# KiCad board master-circuit.kicad_pcb (continued)
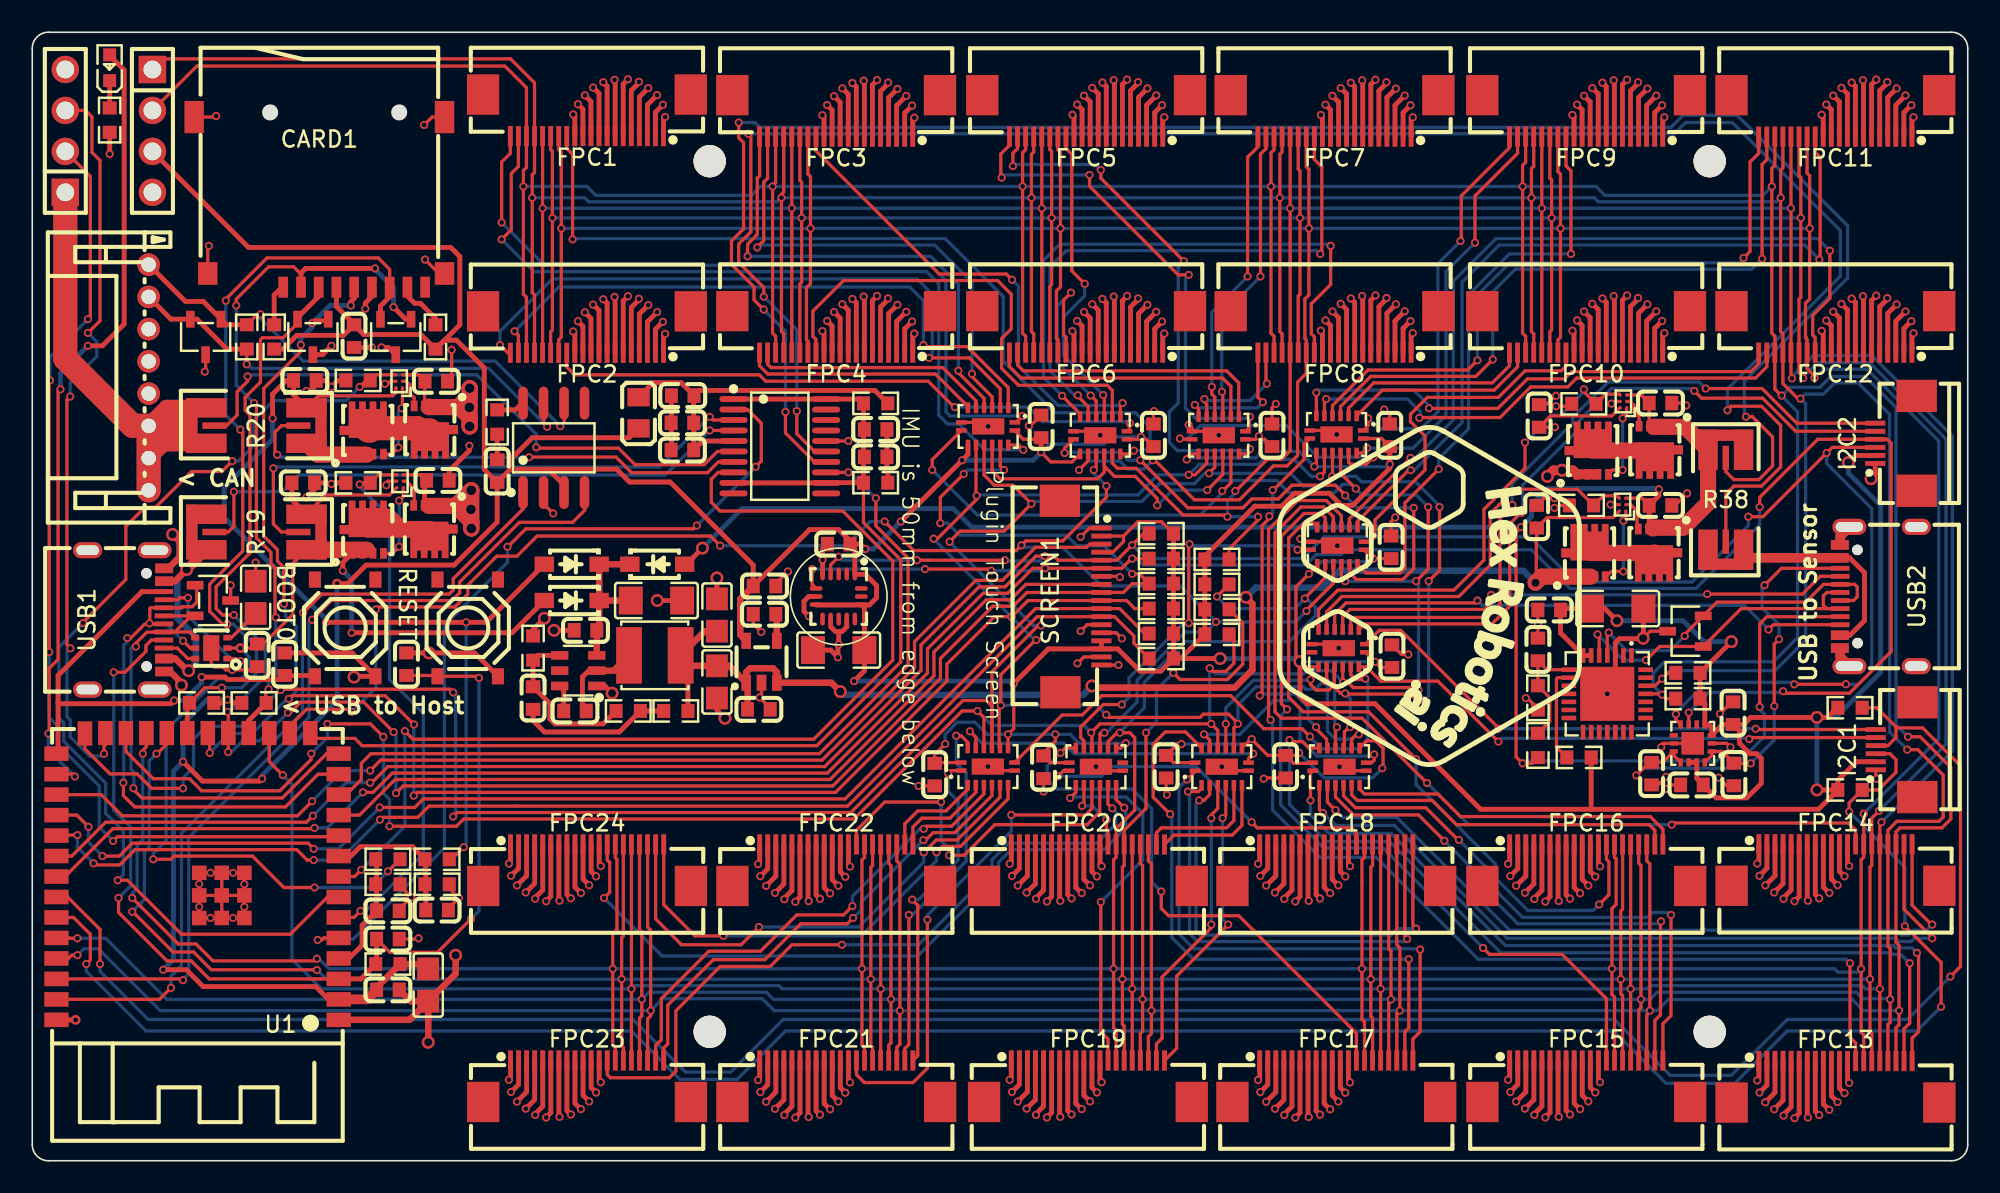
[diagram p0: board, top side]
## Library data of the parts (continued)
U2 U7 U12 U13 = -: Datasheet: https://item.szlcsc.com/datasheet/TCK420G%252CL3F/8033651.html; Description: Driven Configuration:High Side Load Type:MOSFET Number of Drivers:1 Voltage - Supply:2.7V~28V Voltage - Supply:2.7V~28V Features:Under Voltage Protection；Over Voltage Protection Operating Temperature:-40°C~+85°C Operating Temperature:-40°C~+85°C Input Logic L; Manufacturer Part: TCK420G,L3F; Manufacturer: TOSHIBA(东芝); Supplier Part: C7067041; Supplier: LCSC; LCSC Part Name: 过压保护MOSFET栅极驱动IC; LCSC Part #: C7067041
U3 = -: Datasheet: https://atta.szlcsc.com/upload/public/pdf/source/20220506/F97078DAC27613D3658649741CC410BC.pdf; Description: Output Type:Fixed Maximum Input Voltage:5.5V Output Voltage:3.3V Output Voltage:3.3V Output Current:300mA Dropout Voltage:400mV@(300mA) standby current:60uA Feature:Automotive Standard Certification；Low ESR；Thermal Protection(TSD)；Overcurrent Protection(O; Manufacturer Part: LDK130M33R; Manufacturer: ST(意法半导体); Supplier Part: C2969807; Supplier: LCSC; LCSC Part Name: 300 mA低静态电流超低噪声LDO; LCSC Part #: C2969807
U4 = -: Datasheet: https://www.ti.com/cn/lit/gpn/tps54202; Description: Function:Step-down type Output Type:Adjustable Voltage - Supply:4.5V~28V Voltage - Supply:4.5V~28V Output Voltage:- Output Voltage:- Output Current:2A Frequency - Switching:500kHz Frequency - Switching:500kHz Operating Temperature:-40°C~+125°C@(TJ) Operatin; Manufacturer Part: TPS54202DDCR; Manufacturer: TI(德州仪器); Supplier Part: C191884; Supplier: LCSC; LCSC Part Name: 4.5V至28V输入、2A输出、低EMI同步降压转换器; LCSC Part #: C191884
U5 = -: Datasheet: https://item.szlcsc.com/datasheet/HUSB237-AA001-DN06R/23868913.html; Manufacturer Part: HUSB237-AA001-DN06R; Manufacturer: Hynetek(慧能泰); Supplier Part: C22373734; Supplier: LCSC; LCSC Part Name: HUSB237-AA001-DN06R; LCSC Part #: C22373734
U6 = -: Datasheet: https://atta.szlcsc.com/upload/public/pdf/source/20210519/C1853321_F583406B092CB13E5AC6372DCA4D4EC9.pdf; Description: Capacitance: Tolerance:±5% Tolerance:±5% Voltage Rated: Temperature Coefficient:; Manufacturer Part: CC0805JRX7R9BB203; Manufacturer: YAGEO(国巨); Supplier Part: C1853321; Supplier: LCSC; LCSC Part Name: 20nF ±5% 50V; LCSC Part #: C1853321
U8 U21-U29 = -: Datasheet: https://atta.szlcsc.com/upload/public/pdf/source/20231127/2269817A6DBF40228CACAC1A57EEE2C9.pdf; Manufacturer Part: RS595SXTQW16; Manufacturer: RUNIC(润石); Supplier Part: C19268125; Supplier: LCSC; LCSC Part Name: 逻辑RS595S; LCSC Part #: C19268125
U9 = -: Datasheet: https://item.szlcsc.com/datasheet/HUSB311BLA/8528255.html; Description: Voltage - Supply:3V~5.5V Voltage - Supply:3V~5.5V Data Rate:330Kbps Operating Temperature:-40°C~+125°C Operating Temperature:-40°C~+125°C; Manufacturer Part: HUSB311BLA; Manufacturer: Hynetek(慧能泰); Supplier Part: C7471922; Supplier: LCSC; LCSC Part Name: HUSB311BLA; LCSC Part #: C7471922
U10 = -: Datasheet: https://item.szlcsc.com/datasheet/CP2102N-A02-GQFN28R/1049893.html; Description: Applications Function:USB to UART USB Protocol:USB 2.0 Voltage - Supply:3V~3.6V Voltage - Supply:3V~3.6V Operating Temperature:-40°C~+85°C@(Ta) Operating Temperature:-40°C~+85°C@(Ta) Current - Supply:9.5mA Supply Current (Iq):1.3uA; Manufacturer Part: CP2102N-A02-GQFN28R; Manufacturer: SKYWORKS/SILICON LABS(芯科); Supplier Part: C964632; Supplier: LCSC; LCSC Part Name: CP2102N-A02-GQFN28R; LCSC Part #: C964632
U11 = -: Datasheet: https://www.ti.com/cn/lit/gpn/ina2181; Description: Number of Channels:Quad Supply Current:690uA Operating Temperature:-40°C~+125°C Operating Temperature:-40°C~+125°C; Manufacturer Part: INA4181A1IPWR; Manufacturer: TI(德州仪器); Supplier Part: C2058366; Supplier: LCSC; LCSC Part Name: INA4181A1IPWR; LCSC Part #: C2058366
U17 = -: Datasheet: https://www.ti.com/cn/lit/gpn/sn65hvd230; Description: Type:CANtransceiver Data Rate:1Mbps Voltage - Supply:- Voltage - Supply:- Current - Supply:- Operating Temperature:-40°C~+85°C Operating Temperature:-40°C~+85°C; Manufacturer Part: SN65HVD230DR; Manufacturer: TI(德州仪器); Supplier Part: C12084; Supplier: LCSC; LCSC Part Name: 3.3-V CAN 收发器; LCSC Part #: C12084
U18 = -: Datasheet: https://item.szlcsc.com/datasheet/LIS3DHTR/15808.html; Description: Voltage - Supply:1.71V~3.6V Voltage - Supply:1.71V~3.6V Operating Temperature:-40°C~+85°C Operating Temperature:-40°C~+85°C; Manufacturer Part: LIS3DHTR; Manufacturer: ST(意法半导体); Supplier Part: C15134; Supplier: LCSC; LCSC Part Name: LIS3DHTR; LCSC Part #: C15134
U19 = -: Datasheet: https://item.szlcsc.com/datasheet/S8B-PH-K-S(LF)(SN)/169263.html; Description: Pins Structure:1x8P Pitch:2mm Mounting Type:Right Angle Reference Series:PH Number of Pins:8P Number of Rows:1 Number of PINs Per Row:8 Row Spacing:- Current Rating:2A Contact Material:Brass Contact Plating:Tin Operating Temperature:-25°C~+85°C Operating Te; Manufacturer Part: S8B-PH-K-S(LF)(SN); Manufacturer: JST; Supplier Part: C157915; Supplier: LCSC; LCSC Part Name: 1x8P 间距:2mm 弯插 系列:PH; LCSC Part #: C157915
USB1 USB2 = -: Datasheet: https://item.szlcsc.com/datasheet/TYPE-C16PIN/372551.html; Description: Connector Type:Type-C Protocol Standard:USB 3.1 Gender:Female Mounting Type:Surface Mount, Right Angle Number of Contacts:16P Number of Ports:1 Current Rating-Power:3A Voltage Rating:30V Connect-Disconnect Life:10,000 Cycles Detection color:Black Operatin; Manufacturer Part: TYPE-C16PIN; Manufacturer: SHOU HAN(首韩); Supplier Part: C393939; Supplier: LCSC; LCSC Part Name: Type-C 母 卧贴; LCSC Part #: C393939

## Footprints (pads in the part's own frame, mm; a bottom-side part is the same pattern mirrored in y, then rotated)
C0603
  rect 0.8x0.9 smd: 1(-0.7,0) 2(0.7,0)
C0805
  rect 1.41x1.35 smd: 1(-1,0) 2(1,0)
C1206
  rect 1.485x1.728 smd: 1(-1.593,0) 2(1.593,0)
CONN-TH_S8B-PH-K-S-LF-SN
  round 1.4 hole 0.9: 1(7,0) 2(5,0) 3(3,0) 4(1,0) 5(-1,0) 6(-3,0) 7(-5,0) 8(-7,0)
DHVQFN-16_L3.5-W2.5-P0.50-BL-EP
  rect 0.665x0.28 smd: 1(-1.657,-0.25) 8(1.657,-0.25) 9(1.657,0.25) 16(-1.657,0.25)
  rect 0.28x0.665 smd: 2(-1.25,-1.157) 3(-0.75,-1.157) 4(-0.25,-1.157) 5(0.25,-1.157) 6(0.75,-1.157) 7(1.25,-1.157) 10(1.25,1.157) 11(0.75,1.157) 12(0.25,1.157) 13(-0.25,1.157) 14(-0.75,1.157) 15(-1.25,1.157)
  rect 2x1 smd: 17(0,0)
FPC-SMD_6P-P0.50_XUNPU_FPC-05F-6PH20
  rect 0.3x1.25 smd: 1(-1.25,1.288) 2(-0.75,1.288) 3(-0.25,1.288) 4(0.25,1.288) 5(0.75,1.288) 6(1.25,1.288)
  rect 2x2.5 smd: 7(2.94,-1.288) 8(-2.94,-1.288)
FPC-SMD_18P-P0.50_FPC-05F-18PH20
  rect 0.3x1.25 smd: 1(-4.25,1.288) 2(-3.75,1.288) 3(-3.25,1.288) 4(-2.75,1.288) 5(-2.25,1.288) 6(-1.75,1.288) 7(-1.25,1.288) 8(-0.75,1.288) 9(-0.25,1.288) 10(0.25,1.288) 11(0.75,1.288) 12(1.25,1.288) 13(1.75,1.288) 14(2.25,1.288) 15(2.75,1.288) 16(3.25,1.288) 17(3.75,1.288) 18(4.25,1.288)
  rect 2x2.5 smd: 19(-5.94,-1.288) 20(5.94,-1.252)
FPC-SMD_20P-P0.50_XUNPU_FPC-05F-20PH20
  rect 0.3x1.25 smd: 1(-4.75,1.288) 2(-4.25,1.288) 3(-3.75,1.288) 4(-3.25,1.288) 5(-2.75,1.288) 6(-2.25,1.288) 7(-1.75,1.288) 8(-1.25,1.288) 9(-0.75,1.288) 10(-0.25,1.288) 11(0.25,1.288) 12(0.75,1.288) 13(1.25,1.288) 14(1.75,1.288) 15(2.25,1.288) 16(2.75,1.288) 17(3.25,1.288) 18(3.75,1.288) 19(4.25,1.288) 20(4.75,1.288)
  rect 2x2.5 smd: 21(6.44,-1.288) 22(-6.44,-1.288)
HDR-TH_4P-P2.54-V-M
  rect 1.7x1.7 hole 1.1: 1(-3.81,0)
  round 1.7 hole 1.1: 2(-1.27,0) 3(1.27,0) 4(3.81,0)
IND-SMD_L4.0-W4.0
  rect 1.6x3.5 smd: 1(-1.6,0) 2(1.6,0)
L0805
  rect 1.133x1.377 smd: 1(-0.966,0) 2(0.966,0)
LED0603-RD
  rect 0.8x0.8 smd: 1(-0.799,0) 2(0.799,0)
LGA-16_L3.0-W3.0-P0.50-TL
  oval 0.8x0.28 smd: 1(-1.4,1) 2(-1.4,0.5) 3(-1.4,0) 4(-1.4,-0.5) 5(-1.4,-1) 9(1.4,-1) 10(1.4,-0.5) 11(1.4,0) 12(1.4,0.5) 13(1.4,1)
  oval 0.28x0.8 smd: 6(-0.5,-1.4) 7(0,-1.4) 8(0.5,-1.4) 14(0.5,1.4) 15(0,1.4) 16(-0.5,1.4)
NPTH 2mm hole 3mm clearence
  round 2 hole 2 unplated: (0,0)
QFN-14_L2.5-W2.5-P0.50-TL-EP1.4
  rect 0.28x0.505 smd: 1(-0.5,-1.177) 2(0,-1.177) 3(0.5,-1.177) 8(0.5,1.177) 9(0,1.177) 10(-0.5,1.177)
  rect 0.505x0.28 smd: 4(1.177,-0.75) 5(1.177,-0.25) 6(1.177,0.25) 7(1.177,0.75) 11(-1.177,0.75) 12(-1.177,0.25) 13(-1.177,-0.25) 14(-1.177,-0.75)
  rect 1.4x1.4 smd: 15(0,0)
QFN-28_L5.0-W5.0-P0.50-TL-EP3.3
  rect 0.28x0.905 smd: 1(-1.5,-2.377) 2(-1,-2.377) 3(-0.5,-2.377) 4(0,-2.377) 5(0.5,-2.377) 6(1,-2.377) 7(1.5,-2.377) 15(1.5,2.377) 16(1,2.377) 17(0.5,2.377) 18(0,2.377) 19(-0.5,2.377) 20(-1,2.377) 21(-1.5,2.377)
  rect 0.905x0.28 smd: 8(2.377,-1.5) 9(2.377,-1) 10(2.377,-0.5) 11(2.377,0) 12(2.377,0.5) 13(2.377,1) 14(2.377,1.5) 22(-2.377,1.5) 23(-2.377,1) 24(-2.377,0.5) 25(-2.377,0) 26(-2.377,-0.5) 27(-2.377,-1) 28(-2.377,-1.5)
  rect 3.35x3.35 smd: 29(0,0)
R0603
  rect 0.806x0.864 smd: 1(-0.753,0) 2(0.753,0)
R2512 Shunt with Kelvin connections
  rect 0.7x3.4 smd: 1(-4,0) 2(4,0)
  rect 2.5x1.2 smd: 1(-3.1,1.1) 1(-3.1,-1.1) 2(3.1,1.1) 2(3.1,-1.1)
  rect 1.5x0.4 smd: 3(-2.6,0) 4(2.6,0)
SOD-123_L2.7-W1.6-LS3.7-RD-1
  rect 1.2x0.95 smd: 1(-1.7,0) 2(1.7,0)
SOIC-8_L4.9-W3.9-P1.27-LS6.0-BL
  oval 2.045x0.588 smd: 1(-2.772,1.909) 2(-2.772,0.639) 3(-2.772,-0.631) 4(-2.772,-1.901) 5(2.772,-1.901) 6(2.772,-0.631) 7(2.772,0.639) 8(2.772,1.909)
SOT-23-3_L3.0-W1.7-P0.95-LS2.9-BR
  rect 1.038x0.532 smd: 1(-1.101,0.95) 2(-1.101,-0.95) 3(1.101,0)
SOT-23-5_L3.0-W1.6-P0.95-LS2.8-BL
  rect 0.6x1 smd: 1(0.95,1.3) 2(0,1.3) 3(-0.95,1.3) 4(-0.95,-1.3) 5(0.95,-1.3)
SOT-23-6_L2.9-W1.6-P0.95-LS2.8-BL
  rect 0.532x1.072 smd: 1(0.95,1.149) 2(0,1.149) 3(-0.95,1.149) 4(-0.95,-1.149) 5(0,-1.149) 6(0.95,-1.149)
SW-SMD_4P-L5.1-W5.1-P3.70-LS6.5-TL_H1.5
  rect 1x0.75 smd: 1(-3,1.875) 2(3,1.875) 3(-3,-1.875) 4(3,-1.875)
TDFN-6_L2.0-W2.0-P0.65-TL-EP
  rect 0.5x0.35 smd: 1(-1,0.65) 2(-1,0) 3(-1,-0.65) 4(1,-0.65) 5(1,0) 6(1,0.65)
  rect 1x1.6 smd: 7(0,0)
TF-SMD_TF-01A
  rect 0.6x1.3 smd: 1(2.24,5.276) 2(1.14,5.276) 3(0.04,5.276) 4(-1.06,5.276) 5(-2.16,5.276) 6(-3.26,5.276) 7(-4.36,5.276) 8(-5.46,5.276) 9(-6.56,5.276)
  rect 1.2x1.4 smd: 10(-7.76,4.426) 13(6.92,4.426)
  rect 1.2x2 smd: 11(-7.76,-5.276) 12(7.76,-5.276)
TSSOP-20_L6.5-W4.4-P0.65-LS6.4-BL
  oval 1.742x0.364 smd: 1(-2.871,2.925) 2(-2.871,2.275) 3(-2.871,1.625) 4(-2.871,0.975) 5(-2.871,0.325) 6(-2.871,-0.325) 7(-2.871,-0.975) 8(-2.871,-1.625) 9(-2.871,-2.275) 10(-2.871,-2.925) 11(2.871,-2.925) 12(2.871,-2.275) 13(2.871,-1.625) 14(2.871,-0.975) 15(2.871,-0.325) 16(2.871,0.325) 17(2.871,0.975) 18(2.871,1.625) 19(2.871,2.275) 20(2.871,2.925)
USB-C-SMD_TYPE-C16PIN
  round 0.65 hole 0.65 unplated: (-2.89,1.28) (2.89,1.29)
  oval 1x2.1 hole 0.6x1.7: 1(-4.32,1.788) 2(4.32,1.788)
  oval 1x1.8 hole 0.6x1.4: 3(-4.32,-2.362) 4(4.32,-2.362)
  rect 0.6x1.117 smd: A1B12(-3.2,2.379) A4B9(-2.4,2.379) B1A12(3.2,2.379) B4A9(2.4,2.379)
  rect 0.3x1.15 smd: A5(-1.25,2.362) A6(-0.25,2.362) A7(0.25,2.362) A8(1.25,2.362) B5(1.75,2.362) B6(0.75,2.362) B7(-0.75,2.362) B8(-1.75,2.362)
WDFN-5_L3.1-W3.1-P0.65-BL_1
  rect 0.42x0.66 smd: 1(-0.975,-0.735) 2(-0.325,-0.735) 3(0.325,-0.735) 4(0.975,-0.735)
  custom 3.48x2.265 smd: 5(0,0.735)
WIRELM-SMD_ESP32-S3-WROOM-1
  rect 1.5x0.9 smd: 1(-8.75,8.895) 2(-8.75,7.625) 3(-8.75,6.355) 4(-8.75,5.085) 5(-8.75,3.815) 6(-8.75,2.545) 7(-8.75,1.275) 8(-8.75,0.005) 9(-8.75,-1.265) 10(-8.75,-2.535) 11(-8.75,-3.805) 12(-8.75,-5.075) 13(-8.75,-6.345) 14(-8.75,-7.615) 27(8.75,-7.615) 28(8.75,-6.345) 29(8.75,-5.075) 30(8.75,-3.805) 31(8.75,-2.535) 32(8.75,-1.265) 33(8.75,0.005) 34(8.75,1.275) 35(8.75,2.545) 36(8.75,3.815) 37(8.75,5.085) 38(8.75,6.355) 39(8.75,7.625) 40(8.75,8.895)
  rect 0.9x1.5 smd: 15(-6.985,-8.895) 16(-5.715,-8.895) 17(-4.445,-8.895) 18(-3.175,-8.895) 19(-1.905,-8.895) 20(-0.635,-8.895) 21(0.635,-8.895) 22(1.905,-8.895) 23(3.175,-8.895) 24(4.445,-8.895) 25(5.715,-8.895) 26(6.985,-8.865)
  rect 0.9x0.9 smd: 41(-2.9,2.575) 41(-2.9,1.175) 41(-2.9,-0.225) 41(-1.5,2.575) 41(-1.5,1.175) 41(-1.5,-0.225) 41(-0.1,2.575) 41(-0.1,1.175) 41(-0.1,-0.225)
WLCSP-6_L1.2-W0.8-P0.40-TL
  round 0.17 smd: A1(-0.2,0.4) A2(0.2,0.4) B1(-0.2,0) B2(0.2,0) C1(-0.2,-0.4) C2(0.2,-0.4)

## Nets
3V3: C2.2 C3.2 C8.2 C14.2 C15.2 C16.2 C17.2 C25.2 C26.2 C30.2 C31.2 C32.2 C40.2 C41.2 C42.2 C43.2 C44.2 C45.2 C46.2 C47.2 C48.2 CARD1.4 H1.3 I2C1.2 I2C2.2 L2.1 R1.2 R8.2 R9.2 R11.2 R12.2 R13.2 R14.2 R15.2 R17.2 R18.2 R24.2 R25.2 R26.2 R27.2 R28.2 R29.2 R30.2 R32.2 R33.2 R39.1 SCREEN1.2 SCREEN1.4 SCREEN1.15 SCREEN1.16 U1.2 U3.5 U8.10 U8.16 U9.3 U9.4 U9.12 U9.13 U10.6 U10.7 U17.3 U18.1 U18.8 U18.14 U21.10 U21.16 U22.10 U22.16 U23.10 U23.16 U24.10 U24.16 U25.10 U25.16 U26.10 U26.16 U27.10 U27.16 U28.10 U28.16 U29.10 U29.16
3V3A: C12.2 C13.2 C33.2 L2.2 R21.2 U11.5
5V: C20.2 C23.2 C24.2 C51.2 L1.2 Q8.1 Q8.2 Q8.3 R10.2 U3.1 U3.3 U13.A2
GND: C1.1 C2.1 C3.1 C4.1 C5.1 C8.1 C9.1 C10.1 C11.1 C12.1 C13.1 C14.1 C15.1 C16.1 C17.1 C18.2 C19.1 C20.1 C21.1 C22.1 C23.1 C24.1 C25.1 C26.1 C27.1 C28.1 C29.1 C30.1 C31.1 C32.1 C33.1 C34.1 C35.1 C36.1 C37.1 C38.1 C39.1 C40.1 C41.1 C42.1 C43.1 C44.1 C45.1 C46.1 C47.1 C48.1 C49.1 C50.1 C51.1 CARD1.6 CARD1.10 CARD1.11 CARD1.12 CARD1.13 D2.3 D4.3 D6.3 D7.3 D8.3 FPC1.2 FPC1.4 FPC1.6 FPC1.8 FPC1.10 FPC1.12 FPC2.2 FPC2.4 FPC2.6 FPC2.8 FPC2.10 FPC2.12 FPC3.2 FPC3.4 FPC3.6 FPC3.8 FPC3.10 FPC3.12 FPC4.2 FPC4.4 FPC4.6 FPC4.8 FPC4.10 FPC4.12 FPC5.2 FPC5.4 FPC5.6 FPC5.8 FPC5.10 FPC5.12 FPC6.2 FPC6.4 FPC6.6 FPC6.8 FPC6.10 FPC6.12 FPC7.2 FPC7.4 FPC7.6 FPC7.8 FPC7.10 FPC7.12 FPC8.2 FPC8.4 FPC8.6 FPC8.8 FPC8.10 FPC8.12 FPC9.2 FPC9.4 FPC9.6 FPC9.8 FPC9.10 FPC9.12 FPC10.2 FPC10.4 FPC10.6 FPC10.8 FPC10.10 FPC10.12 FPC11.2 FPC11.4 FPC11.6 FPC11.8 FPC11.10 FPC11.12 FPC12.2 FPC12.4 FPC12.6 FPC12.8 FPC12.10 FPC12.12 FPC13.2 FPC13.4 FPC13.6 FPC13.8 FPC13.10 FPC13.12 FPC14.2 FPC14.4 FPC14.6 FPC14.8 FPC14.10 FPC14.12 FPC15.2 FPC15.4 FPC15.6 FPC15.8 FPC15.10 FPC15.12 FPC16.2 FPC16.4 FPC16.6 FPC16.8 FPC16.10 FPC16.12 FPC17.2 FPC17.4 FPC17.6 FPC17.8 FPC17.10 FPC17.12 FPC18.2 FPC18.4 FPC18.6 FPC18.8 FPC18.10 FPC18.12 FPC19.2 FPC19.4 FPC19.6 FPC19.8 FPC19.10 FPC19.12 FPC20.2 FPC20.4 FPC20.6 FPC20.8 FPC20.10 FPC20.12 FPC21.2 FPC21.4 FPC21.6 FPC21.8 FPC21.10 FPC21.12 FPC22.2 FPC22.4 FPC22.6 FPC22.8 FPC22.10 FPC22.12 FPC23.2 FPC23.4 FPC23.6 FPC23.8 FPC23.10 FPC23.12 FPC24.2 FPC24.4 FPC24.6 FPC24.8 FPC24.10 FPC24.12 H1.4 H2.4 I2C1.1 I2C2.1 R3.1 R6.1 R7.1 R22.1 R23.2 R31.1 R34.1 R35.1 R36.1 R37.1 R41.2 SCREEN1.1 SCREEN1.7 SCREEN1.13 SCREEN1.14 SCREEN1.17 SCREEN1.18 SW1.3 SW2.3 U1.1 U1.40 U1.41 U2.B2 U3.2 U4.1 U5.7 U6.1 U7.B2 U8.8 U8.17 U9.9 U9.15 U10.3 U10.29 U11.16 U12.B2 U13.B2 U17.2 U18.5 U18.7 U18.10 U18.12 U19.3 U19.4 U19.5 U21.8 U21.17 U22.8 U22.17 U23.8 U23.17 U24.8 U24.17 U25.8 U25.17 U26.8 U26.17 U27.8 U27.17 U28.8 U28.17 U29.8 U29.17 USB1.A1B12 USB1.B1A12 USB2.1 USB2.2 USB2.3 USB2.4 USB2.A1B12 USB2.B1A12
VBATTERY: C37.2 D3.2 Q2.1 Q2.2 Q2.3 R4.2 R20.1 U2.A2
VBATTERY_PINS: H2.1 R20.2 U19.6 U19.7 U19.8
VBUS: C19.2 C49.2 D1.2 Q6.1 Q6.2 Q6.3 R2.2 R19.1 U5.2 U12.A2
VBUS_CURRENT: U1.5 U11.2
VBUS_PINS: R19.2 USB1.A4B9 USB1.B4A9
VBUS_VOLTAGE: C10.2 R2.1 R3.2 U1.4
VCC: C29.2 C36.2 C39.2 FPC1.1 FPC1.3 FPC1.5 FPC1.7 FPC1.9 FPC1.11 FPC2.1 FPC2.3 FPC2.5 FPC2.7 FPC2.9 FPC2.11 FPC3.1 FPC3.3 FPC3.5 FPC3.7 FPC3.9 FPC3.11 FPC4.1 FPC4.3 FPC4.5 FPC4.7 FPC4.9 FPC4.11 FPC5.1 FPC5.3 FPC5.5 FPC5.7 FPC5.9 FPC5.11 FPC6.1 FPC6.3 FPC6.5 FPC6.7 FPC6.9 FPC6.11 FPC7.1 FPC7.3 FPC7.5 FPC7.7 FPC7.9 FPC7.11 FPC8.1 FPC8.3 FPC8.5 FPC8.7 FPC8.9 FPC8.11 FPC9.1 FPC9.3 FPC9.5 FPC9.7 FPC9.9 FPC9.11 FPC10.1 FPC10.3 FPC10.5 FPC10.7 FPC10.9 FPC10.11 FPC11.1 FPC11.3 FPC11.5 FPC11.7 FPC11.9 FPC11.11 FPC12.1 FPC12.3 FPC12.5 FPC12.7 FPC12.9 FPC12.11 FPC13.1 FPC13.3 FPC13.5 FPC13.7 FPC13.9 FPC13.11 FPC14.1 FPC14.3 FPC14.5 FPC14.7 FPC14.9 FPC14.11 FPC15.1 FPC15.3 FPC15.5 FPC15.7 FPC15.9 FPC15.11 FPC16.1 FPC16.3 FPC16.5 FPC16.7 FPC16.9 FPC16.11 FPC17.1 FPC17.3 FPC17.5 FPC17.7 FPC17.9 FPC17.11 FPC18.1 FPC18.3 FPC18.5 FPC18.7 FPC18.9 FPC18.11 FPC19.1 FPC19.3 FPC19.5 FPC19.7 FPC19.9 FPC19.11 FPC20.1 FPC20.3 FPC20.5 FPC20.7 FPC20.9 FPC20.11 FPC21.1 FPC21.3 FPC21.5 FPC21.7 FPC21.9 FPC21.11 FPC22.1 FPC22.3 FPC22.5 FPC22.7 FPC22.9 FPC22.11 FPC23.1 FPC23.3 FPC23.5 FPC23.7 FPC23.9 FPC23.11 FPC24.1 FPC24.3 FPC24.5 FPC24.7 FPC24.9 FPC24.11 Q1.1 Q1.2 Q1.3 Q4.1 Q4.2 Q4.3 Q5.1 Q5.2 Q5.3 U2.C1 U7.A2 U12.C1
+Probe-1: R19.4 U11.4
+Probe-2: R20.4 U11.6
+Probe-3: R38.4 U11.15
-Probe-1: R19.3 U11.3
-Probe-2: R20.3 U11.7
-Probe-3: R38.3 U11.14
/Buck-Bootstrap-Capacitor: C7.1 U4.6
/Buck-Output-SW: C7.2 L1.1 U4.2
/Buck-Probe-Point: C6.2 R5.2 R10.1
/group-of-8-servo-connectors1/master-to-servo-connector1/SERVO_BOOT0/STOP: FPC10.19 U25.2
/group-of-8-servo-connectors1/master-to-servo-connector1/SERVO_CS: FPC10.13 U24.1
/group-of-8-servo-connectors1/master-to-servo-connector1/SERVO_NRST: FPC10.20 U25.3
/group-of-8-servo-connectors1/master-to-servo-connector2/SERVO_BOOT0/STOP: FPC11.19 U25.4
/group-of-8-servo-connectors1/master-to-servo-connector2/SERVO_CS: FPC11.13 U24.2
/group-of-8-servo-connectors1/master-to-servo-connector2/SERVO_NRST: FPC11.20 U25.5
/group-of-8-servo-connectors1/master-to-servo-connector3/SERVO_BOOT0/STOP: FPC12.19 U25.6
/group-of-8-servo-connectors1/master-to-servo-connector3/SERVO_CS: FPC12.13 U24.3
/group-of-8-servo-connectors1/master-to-servo-connector3/SERVO_NRST: FPC12.20 U25.7
/group-of-8-servo-connectors1/master-to-servo-connector4/SERVO_BOOT0/STOP: FPC13.19 U26.15
/group-of-8-servo-connectors1/master-to-servo-connector4/SERVO_CS: FPC13.13 U24.4
/group-of-8-servo-connectors1/master-to-servo-connector4/SERVO_NRST: FPC13.20 U26.1
/group-of-8-servo-connectors1/master-to-servo-connector5/SERVO_BOOT0/STOP: FPC14.19 U26.2
/group-of-8-servo-connectors1/master-to-servo-connector5/SERVO_CS: FPC14.13 U24.5
/group-of-8-servo-connectors1/master-to-servo-connector5/SERVO_NRST: FPC14.20 U26.3
/group-of-8-servo-connectors1/master-to-servo-connector6/SERVO_BOOT0/STOP: FPC15.19 U26.4
/group-of-8-servo-connectors1/master-to-servo-connector6/SERVO_CS: FPC15.13 U24.6
/group-of-8-servo-connectors1/master-to-servo-connector6/SERVO_NRST: FPC15.20 U26.5
/group-of-8-servo-connectors1/master-to-servo-connector7/SERVO_BOOT0/STOP: FPC16.19 U26.6
/group-of-8-servo-connectors1/master-to-servo-connector7/SERVO_CS: FPC16.13 U24.7
/group-of-8-servo-connectors1/master-to-servo-connector7/SERVO_NRST: FPC16.20 U26.7
/group-of-8-servo-connectors1/master-to-servo-connector/SERVO_BOOT0/STOP: FPC9.19 U25.15
/group-of-8-servo-connectors1/master-to-servo-connector/SERVO_CS: FPC9.13 U24.15
/group-of-8-servo-connectors1/master-to-servo-connector/SERVO_NRST: FPC9.20 U25.1
/group-of-8-servo-connectors1/SHIFT_BANK1_DATA_OUT: U24.9 U27.14
/group-of-8-servo-connectors1/SHIFT_BANK_2_DATA_OUT: U26.9 U28.14
/group-of-8-servo-connectors2/master-to-servo-connector1/SERVO_BOOT0/STOP: FPC18.19 U28.2
/group-of-8-servo-connectors2/master-to-servo-connector1/SERVO_CS: FPC18.13 U27.1
/group-of-8-servo-connectors2/master-to-servo-connector1/SERVO_NRST: FPC18.20 U28.3
/group-of-8-servo-connectors2/master-to-servo-connector2/SERVO_BOOT0/STOP: FPC19.19 U28.4
/group-of-8-servo-connectors2/master-to-servo-connector2/SERVO_CS: FPC19.13 U27.2
/group-of-8-servo-connectors2/master-to-servo-connector2/SERVO_NRST: FPC19.20 U28.5
/group-of-8-servo-connectors2/master-to-servo-connector3/SERVO_BOOT0/STOP: FPC20.19 U28.6
/group-of-8-servo-connectors2/master-to-servo-connector3/SERVO_CS: FPC20.13 U27.3
/group-of-8-servo-connectors2/master-to-servo-connector3/SERVO_NRST: FPC20.20 U28.7
/group-of-8-servo-connectors2/master-to-servo-connector4/SERVO_BOOT0/STOP: FPC21.19 U29.15
/group-of-8-servo-connectors2/master-to-servo-connector4/SERVO_CS: FPC21.13 U27.4
/group-of-8-servo-connectors2/master-to-servo-connector4/SERVO_NRST: FPC21.20 U29.1
/group-of-8-servo-connectors2/master-to-servo-connector5/SERVO_BOOT0/STOP: FPC22.19 U29.2
/group-of-8-servo-connectors2/master-to-servo-connector5/SERVO_CS: FPC22.13 U27.5
/group-of-8-servo-connectors2/master-to-servo-connector5/SERVO_NRST: FPC22.20 U29.3
/group-of-8-servo-connectors2/master-to-servo-connector6/SERVO_BOOT0/STOP: FPC23.19 U29.4
/group-of-8-servo-connectors2/master-to-servo-connector6/SERVO_CS: FPC23.13 U27.6
/group-of-8-servo-connectors2/master-to-servo-connector6/SERVO_NRST: FPC23.20 U29.5
/group-of-8-servo-connectors2/master-to-servo-connector7/SERVO_BOOT0/STOP: FPC24.19 U29.6
/group-of-8-servo-connectors2/master-to-servo-connector7/SERVO_CS: FPC24.13 U27.7
/group-of-8-servo-connectors2/master-to-servo-connector7/SERVO_NRST: FPC24.20 U29.7
/group-of-8-servo-connectors2/master-to-servo-connector/SERVO_BOOT0/STOP: FPC17.19 U28.15
/group-of-8-servo-connectors2/master-to-servo-connector/SERVO_CS: FPC17.13 U27.15
/group-of-8-servo-connectors2/master-to-servo-connector/SERVO_NRST: FPC17.20 U28.1
/group-of-8-servo-connectors2/SHIFT_BANK1_DATA_OUT: U27.9
/group-of-8-servo-connectors/master-to-servo-connector1/SERVO_BOOT0/STOP: FPC2.19 U22.2
/group-of-8-servo-connectors/master-to-servo-connector1/SERVO_CS: FPC2.13 U21.1
/group-of-8-servo-connectors/master-to-servo-connector1/SERVO_NRST: FPC2.20 U22.3
/group-of-8-servo-connectors/master-to-servo-connector2/SERVO_BOOT0/STOP: FPC3.19 U22.4
/group-of-8-servo-connectors/master-to-servo-connector2/SERVO_CS: FPC3.13 U21.2
/group-of-8-servo-connectors/master-to-servo-connector2/SERVO_NRST: FPC3.20 U22.5
/group-of-8-servo-connectors/master-to-servo-connector3/SERVO_BOOT0/STOP: FPC4.19 U22.6
/group-of-8-servo-connectors/master-to-servo-connector3/SERVO_CS: FPC4.13 U21.3
/group-of-8-servo-connectors/master-to-servo-connector3/SERVO_NRST: FPC4.20 U22.7
/group-of-8-servo-connectors/master-to-servo-connector4/SERVO_BOOT0/STOP: FPC5.19 U23.15
/group-of-8-servo-connectors/master-to-servo-connector4/SERVO_CS: FPC5.13 U21.4
/group-of-8-servo-connectors/master-to-servo-connector4/SERVO_NRST: FPC5.20 U23.1
/group-of-8-servo-connectors/master-to-servo-connector5/SERVO_BOOT0/STOP: FPC6.19 U23.2
/group-of-8-servo-connectors/master-to-servo-connector5/SERVO_CS: FPC6.13 U21.5
/group-of-8-servo-connectors/master-to-servo-connector5/SERVO_NRST: FPC6.20 U23.3
/group-of-8-servo-connectors/master-to-servo-connector6/SERVO_BOOT0/STOP: FPC7.19 U23.4
/group-of-8-servo-connectors/master-to-servo-connector6/SERVO_CS: FPC7.13 U21.6
/group-of-8-servo-connectors/master-to-servo-connector6/SERVO_NRST: FPC7.20 U23.5
/group-of-8-servo-connectors/master-to-servo-connector7/SERVO_BOOT0/STOP: FPC8.19 U23.6
/group-of-8-servo-connectors/master-to-servo-connector7/SERVO_CS: FPC8.13 U21.7
/group-of-8-servo-connectors/master-to-servo-connector7/SERVO_NRST: FPC8.20 U23.7
/group-of-8-servo-connectors/master-to-servo-connector/SERVO_BOOT0/STOP: FPC1.19 U22.15
/group-of-8-servo-connectors/master-to-servo-connector/SERVO_CS: FPC1.13 U21.15
/group-of-8-servo-connectors/master-to-servo-connector/SERVO_NRST: FPC1.20 U22.1
/group-of-8-servo-connectors/SHIFT_BANK1_DATA_OUT: U21.9 U24.14
/group-of-8-servo-connectors/SHIFT_BANK_2_DATA_OUT: U23.9 U25.14
/LDO-Bypass-Capacitor: C9.2 U3.4
BATTERY_1: H2.2 U1.10
BATTERY_2: H2.3 U1.25
BATTERY_CURRENT: U1.8 U11.8
BATTERY_VOLTAGE: C11.2 R4.1 R7.2 U1.9
BOOT0: C4.2 SW1.1 U1.27 USB1.B8
Buck-FB: C6.1 R5.1 R6.2 U4.4
CAN_RX: U1.38 U17.4
CAN_TX: U1.39 U17.1
CANH: D7.2 R16.2 U17.7 U19.2
CANL: D7.1 R16.1 U17.6 U19.1
CC1: U5.1 USB1.A5
CC2: U5.6 USB1.B5
CONNECT_BATTERY: R34.2 U1.7 U2.C2
CONNECT_SENSORS_5V: R37.2 U8.6 U13.C2
CONNECT_SENSORS_VCC: R35.2 U7.C2 U8.7
CONNECT_VBUS: R36.2 U1.6 U12.C2
FSPICLK/SPI2_CLK: CARD1.5 D6.1 R14.1 SCREEN1.10 U1.20 U8.11 U22.11 U23.11 U25.11 U26.11 U28.11 U29.11
FSPICS0/MEMORY_CS: CARD1.2 D4.1 R9.1 U1.18
FSPID/SPI2_MOSI: CARD1.3 D6.2 R8.1 SCREEN1.9 U1.19 U22.14
FSPIQ/SPI2_MISO: CARD1.7 D4.2 R15.1 U1.21
I2C1_BOOT0/STOP: I2C1.6 U8.1
I2C1_NRST: I2C1.5 U8.15
I2C1_SCL: I2C1.4 R24.1 U1.34
I2C1_SDA: I2C1.3 R25.1 U1.35
I2C2_BOOT0/STOP: I2C2.6 U8.3
I2C2_NRST: I2C2.5 U8.2
I2C2_SCL: I2C2.4 R18.1 SCREEN1.6 U1.33 U9.6 U18.6
I2C2_SDA: I2C2.3 R17.1 SCREEN1.5 U1.32 U9.7 U18.4
REFERENCE: C34.2 C35.2 R21.1 R22.2 U1.15 U11.1 U11.9 U11.12 U11.20
RESET: C1.2 C5.2 R1.1 SW2.1 U1.3 USB1.A8
RX: FPC1.17 FPC2.17 FPC3.17 FPC4.17 FPC5.17 FPC6.17 FPC7.17 FPC8.17 FPC9.17 FPC10.17 FPC11.17 FPC12.17 FPC13.17 FPC14.17 FPC15.17 FPC16.17 FPC17.17 FPC18.17 FPC19.17 FPC20.17 FPC21.17 FPC22.17 FPC23.17 FPC24.17 H1.1 R32.1 U1.36 U10.26
SCREEN_CS: R27.1 SCREEN1.11 U1.30
SCREEN_DC: R26.1 SCREEN1.12 U1.31
SCREEN_RESET: SCREEN1.8 U1.11
SENSOR_BOOT0/STOP: U8.5 USB2.B8
SENSOR_CURRENT: U1.12 U11.13
SENSOR_NRST: U8.4 USB2.A8
SENSORS_CC1: C27.2 U9.10 U9.11 USB2.A5
SENSORS_CC2: C28.2 U9.1 U9.14 USB2.B5
SENSORS_USB_D+: D8.2 U10.4 USB2.A6 USB2.B6
SENSORS_USB_D-: D8.1 U10.5 USB2.A7 USB2.B7
SENSORS_VBUS: C38.2 C50.2 D9.2 Q3.1 Q3.2 Q3.3 Q7.1 Q7.2 Q7.3 R38.1 R40.1 U7.C1 U9.2 U13.C1
SENSORS_VBUS_PINS: R38.2 USB2.A4B9 USB2.B4A9
SHIFT_BANK1_LATCH: U1.16 U21.12 U24.12 U27.12
SHIFT_BANK2_LATCH: U1.26 U8.12 U22.12 U23.12 U25.12 U26.12 U28.12 U29.12
SHIFT_BANK_2_DATA_CONT: U8.14 U29.9
SHIFT_OE: R30.1 U1.24 U8.13 U21.13 U22.13 U23.13 U24.13 U25.13 U26.13 U27.13 U28.13 U29.13
SPI3_CLK: FPC1.14 FPC2.14 FPC3.14 FPC4.14 FPC5.14 FPC6.14 FPC7.14 FPC8.14 FPC9.14 FPC10.14 FPC11.14 FPC12.14 FPC13.14 FPC14.14 FPC15.14 FPC16.14 FPC17.14 FPC18.14 FPC19.14 FPC20.14 FPC21.14 FPC22.14 FPC23.14 FPC24.14 R29.1 U1.23 U21.11 U24.11 U27.11
SPI3_MISO: FPC1.15 FPC2.15 FPC3.15 FPC4.15 FPC5.15 FPC6.15 FPC7.15 FPC8.15 FPC9.15 FPC10.15 FPC11.15 FPC12.15 FPC13.15 FPC14.15 FPC15.15 FPC16.15 FPC17.15 FPC18.15 FPC19.15 FPC20.15 FPC21.15 FPC22.15 FPC23.15 FPC24.15 R28.1 U1.22
SPI3_MOSI: FPC1.16 FPC2.16 FPC3.16 FPC4.16 FPC5.16 FPC6.16 FPC7.16 FPC8.16 FPC9.16 FPC10.16 FPC11.16 FPC12.16 FPC13.16 FPC14.16 FPC15.16 FPC16.16 FPC17.16 FPC18.16 FPC19.16 FPC20.16 FPC21.16 FPC22.16 FPC23.16 FPC24.16 R13.1 U1.17 U21.14
STATUS_LED: LED1.2 U1.28
TOUCH_INT: SCREEN1.3 U1.29
TX: FPC1.18 FPC2.18 FPC3.18 FPC4.18 FPC5.18 FPC6.18 FPC7.18 FPC8.18 FPC9.18 FPC10.18 FPC11.18 FPC12.18 FPC13.18 FPC14.18 FPC15.18 FPC16.18 FPC17.18 FPC18.18 FPC19.18 FPC20.18 FPC21.18 FPC22.18 FPC23.18 FPC24.18 H1.2 R33.1 U1.37 U10.25
USB_D+: D2.2 U1.14 U5.4 USB1.A6 USB1.B6
USB_D-: D2.1 U1.13 U5.5 USB1.A7 USB1.B7
Net-(CARD1-DAT1(RSV)): CARD1.8 R12.1
Net-(CARD1-DAT2(RSV)): CARD1.1 R11.1
Net-(D1--): C21.2 C22.2 D1.1 D3.1 D9.1 U4.3
Net-(LED1-K): LED1.1 R23.1
Net-(Q1-D): Q1.5 Q2.5
Net-(Q1-G): Q1.4 U2.B1
Net-(Q2-G): Q2.4 U2.A1
Net-(Q3-D): Q3.5 Q4.5
Net-(Q3-G): Q3.4 U7.B1
Net-(Q4-G): Q4.4 U7.A1
Net-(Q5-D): Q5.5 Q6.5
Net-(Q5-G): Q5.4 U12.B1
Net-(Q6-G): Q6.4 U12.A1
Net-(Q7-D): Q7.5 Q8.5
Net-(Q7-G): Q7.4 U13.B1
Net-(Q8-G): Q8.4 U13.A1
Net-(U5-VSET): U5.3 U6.2
Net-(U10-RSTb): R39.2 U10.9
Net-(U10-VBUS): C18.1 R40.2 R41.1 U10.8
Net-(U17-RS): R31.2 U17.8
Net-(U22-Q7S): U22.9 U23.14
Net-(U25-Q7S): U25.9 U26.14
Net-(U28-Q7S): U28.9 U29.14

Pads without a net: CARD1 9; FPC1 21 22; FPC2 21 22; FPC3 21 22; FPC4 21 22; FPC5 21 22; FPC6 21 22; FPC7 21 22; FPC8 21 22; FPC9 21 22; FPC10 21 22; FPC11 21 22; FPC12 21 22; FPC13 21 22; FPC14 21 22; FPC15 21 22; FPC16 21 22; FPC17 21 22; FPC18 21 22; FPC19 21 22; FPC20 21 22; FPC21 21 22; FPC22 21 22; FPC23 21 22; FPC24 21 22; I2C1 7 8; I2C2 7 8; SCREEN1 19 20; SW1 2 4; SW2 2 4; U4 5; U8 9; U9 5 8; U10 1 2 10 11 12 13 14 15 16 17 18 19 20 21 22 23 24 27 28; U11 10 11 17 18 19; U17 5; U18 2 3 9 11 13 15 16; USB1 1 2 3 4

## Via types
v1: diameter 0.5, hole 0.3, Top to Bottom, 868 vias
v2: diameter 0.8, hole 0.5, Top to Bottom, 30 vias
v3: diameter 0.6, hole 0.3, Top to Bottom, 3 vias
v4: diameter 1, hole 0.6, Top to Bottom, 6 vias

## Routing (per net, layer and track width the routed paths; a pad name or vN(x,y) marks a point on that pad's centre or on a via; arc(x,y) is an arc through that point)
3V3: length 486.8
  Top w0.2: U24.10 79.66,36.91 78.35,35.6 78.35,31.15 78.54,30.96 v2(78.6,30.96) 78.93,30.64 U8.10 ; v1(71.57,43.5) 71.57,43.66 71.76,43.84 U23.10 ; U23.16 75.85,44.75 v1(76.05,44.95) 76.25,44.75 76.41,44.75 C42.2 76.95,44.21 ; C15.2 83.6,30.6 v1(83.25,30.95) U8.16 ; SCREEN1.2 67.66,38.75 ; 67.66,38.75 68.54,39.63 70.02,39.63 R17.2 ; 67.66,38.75 67.66,38.41 67,37.75 SCREEN1.4 ; U25.10 79.61,43.19 v1(79.49,43.06) ; C40.2 69.06,44.75 68.9,44.75 v1(68.75,44.9) 68.6,44.75 U21.16 ; U22.16 60.92,45.28 61.45,44.75 62.45,44.75 C41.2 ; U27.10 67.5,25.6 v1(67.8,25.9) ; v1(83.7,24.35) 83.75,24.4 83.75,25.58 83.28,26.05 82.75,26.05 U26.10 ; C44.2 83.66,44.8 U25.16 ; v1(56.6,25.85) 55.95,25.2 C48.2 56,24.7 U29.16 ; C45.2 76.61,25.14 v1(75.6,26.15) 75.55,26.15 U28.10 ; C45.2 78.39,25.14 v1(78.55,25.3) ; C45.2 78.2,24.65 79.35,24.65 U26.16 ; C43.2 v1(83.15,37.35) 83.1,37.35 82.57,37.88 U24.16 ; U29.10 v1(60.5,26.45) 60.85,26.8 v1(60.85,29.6) ; v1(71.25,25.85) 71.01,25.85 C47.2 70.75,24.69 U28.16 ; v1(62.55,43.95) 63.15,43.35 64.47,43.35 U21.10 ; R26.2 71.2,31.15 ; v1(63.44,26.45) 63.44,26.04 62.7,25.3 C46.2 63.12,24.69 U27.16
  Top w0.3: v2(98.25,33.5) 97.5,34.25 C17.2 94.83,34.25 C16.2 94.75,32.74 U10.7 U10.6 ; C30.2 28.02,42.88 28.02,49.18 26.3,50.9 25.56,50.9 R12.2 ; C30.2 29.65,42.9 ; C30.2 28.83,39.62 26.15,36.95 20.7,36.95 19.55,35.8 v3(18.9,35.8) ; SCREEN1.16 63,31.75 v1(60.85,29.6) ; SCREEN1.16 SCREEN1.15 ; SCREEN1.16 67.3,31.75 68.68,30.37 69.97,30.37 R26.2 ; 96.65,21.8 89.8,21.8 83.25,28.35 79.05,28.35 78.6,28.8 v2(78.6,30.96) ; 96.65,21.8 96.65,21.8 R39.1 ; 96.65,21.8 110.75,21.8 R25.2 ; v1(53.85,39.65) v1(57.65,43.45) 58.01,43.81 U22.10 ; C44.2 v1(84.16,43.2) 84.16,42.95 81.86,40.65 81.17,40.65 80.42,41.4 78.27,41.4 77.46,40.6 75.8,40.6 72.7,37.5 R13.2 R30.2 71.2,31.15 ; 31.98,42.9 36.23,42.9 37.03,42.1 39.55,42.1 44.7,36.95 C8.2 48.2,39.15 50,39.15 50.7,38.45 C31.2 ; 31.98,42.9 29.65,42.9 ; 31.98,42.9 32.98,41.9 32.98,41.53 ; C25.2 105.85,26.66 105.85,25.9 106.5,25.25 106.9,25.25 107.2,24.95 107.2,23.41 106.3,22.51 104.4,22.51 C26.2 103.2,23.71 U9.13 U9.12 ; C25.2 106.11,27.06 106.55,27.5 v2(110.65,27.5) 111.3,27.5 111.9,28.1 R24.2 ; C25.2 104.8,27.06 U9.3 104.13,26.87 103.93,27.07 U9.4 103.7,28.37 R33.2 103.41,28.67 R32.2 105.34,32.2 v2(105.35,32.2) ; C14.2 19.3,51.2 16.4,51.2 15.55,50.35 R11.2 ; C14.2 19.95,51.9 18.86,52.99 CARD1.4 18.9,54.23 ; C14.2 20.55,51.25 24.09,51.25 R12.2 ; 29.65,42.9 29.65,43.5 31,44.85 37.01,44.85 L2.1 ; v1(9.34,24.76) 10.55,23.55 14.1,23.55 v1(14.25,23.7) ; C31.2 51.35,38.25 v1(51.65,37.95) ; C31.2 51,37.95 51,36.38 51.65,36.38 52.35,35.68 52.35,34.93 51.9,34.48 51.4,34.48 ; U1.2 18.37,10.01 17.58,10.8 10.6,10.8 9.55,11.85 v1(8.12,11.85) ; R9.2 12.45,28.4 12.25,28.6 v1(12.1,28.6) 11.95,28.6 11.75,28.4 R15.2 ; R25.2 v2(110.65,23) ; R25.2 111.95,23.6 113.1,24.75 I2C1.2 ; v1(50.95,29.75) 51.59,30.39 C32.2 51.59,34.28 51.4,34.48 ; 51.4,34.48 48.6,34.48 ; I2C2.2 113.05,43.75 v2(112.6,43.3) ; v1(62.55,43.95) C41.2 ; R26.2 R17.2 ; R26.2 v2(73.65,31.15) ; R12.2 26.51,51.85 26.51,56.09 25.95,56.65 13.41,56.65 H1.3
  Top w0.4: C2.2 21.35,10.75 R1.2 24.25,12.2 C3.2 ; U3.5 43.9,32.61 43.9,34.85 C8.2
  Top w0.6: U1.2 20.76,10.01 C2.2
  Bottom w0.2: v2(78.6,30.96) 78.61,30.95 v1(83.25,30.95) ; v1(83.15,37.35) 82.95,37.15 79.9,37.15 v1(79.15,36.4) ; v1(78.55,25.3) 80.1,23.75 83.1,23.75 v1(83.7,24.35) ; v1(71.57,43.5) 71.67,43.6 75.88,43.6 76.15,43.87 76.15,44.85 v1(76.05,44.95) 77,44 78.55,44 v1(79.49,43.06) 79.5,43.05 84.01,43.05 v1(84.16,43.2) ; v1(56.6,25.85) 56.6,26.45 57.35,27.2 58.45,27.2 59.2,26.45 v1(60.5,26.45) v1(63.44,26.45) 64.35,26.45 64.9,25.9 v1(67.8,25.9) 71.2,25.9 v1(71.25,25.85) 75.3,25.85 v1(75.6,26.15) ; v1(62.55,43.95) 63.05,44.45 66.44,44.45 66.89,44.9 v1(68.75,44.9)
  Bottom w0.3: v1(60.85,29.6) 60.7,29.75 v1(50.95,29.75) ; v2(110.65,23) v2(110.65,27.5) 111.8,27.5 114.6,30.3 114.6,40.65 112.6,42.65 v2(112.6,43.3) ; v1(14.25,23.7) 14.25,23.9 18.9,28.55 v3(18.9,35.8) ; v2(98.25,33.5) 102.35,33.5 103.65,32.2 v2(105.35,32.2) ; v2(73.65,31.15) 78.41,31.15 v2(78.6,30.96) ; v1(53.85,39.65) 52.15,37.95 v1(51.65,37.95) ; v1(62.55,43.95) 62.05,43.45 v1(57.65,43.45) ; v1(8.12,11.85) 8.75,12.48 8.75,24.16 v1(9.34,24.76) 9.35,24.76 9.35,27.11 10.84,28.6 v1(12.1,28.6)
